# Altium PCB Xduino_Uno_Rev3.02.PcbDoc (part 3 of 3) (continued)
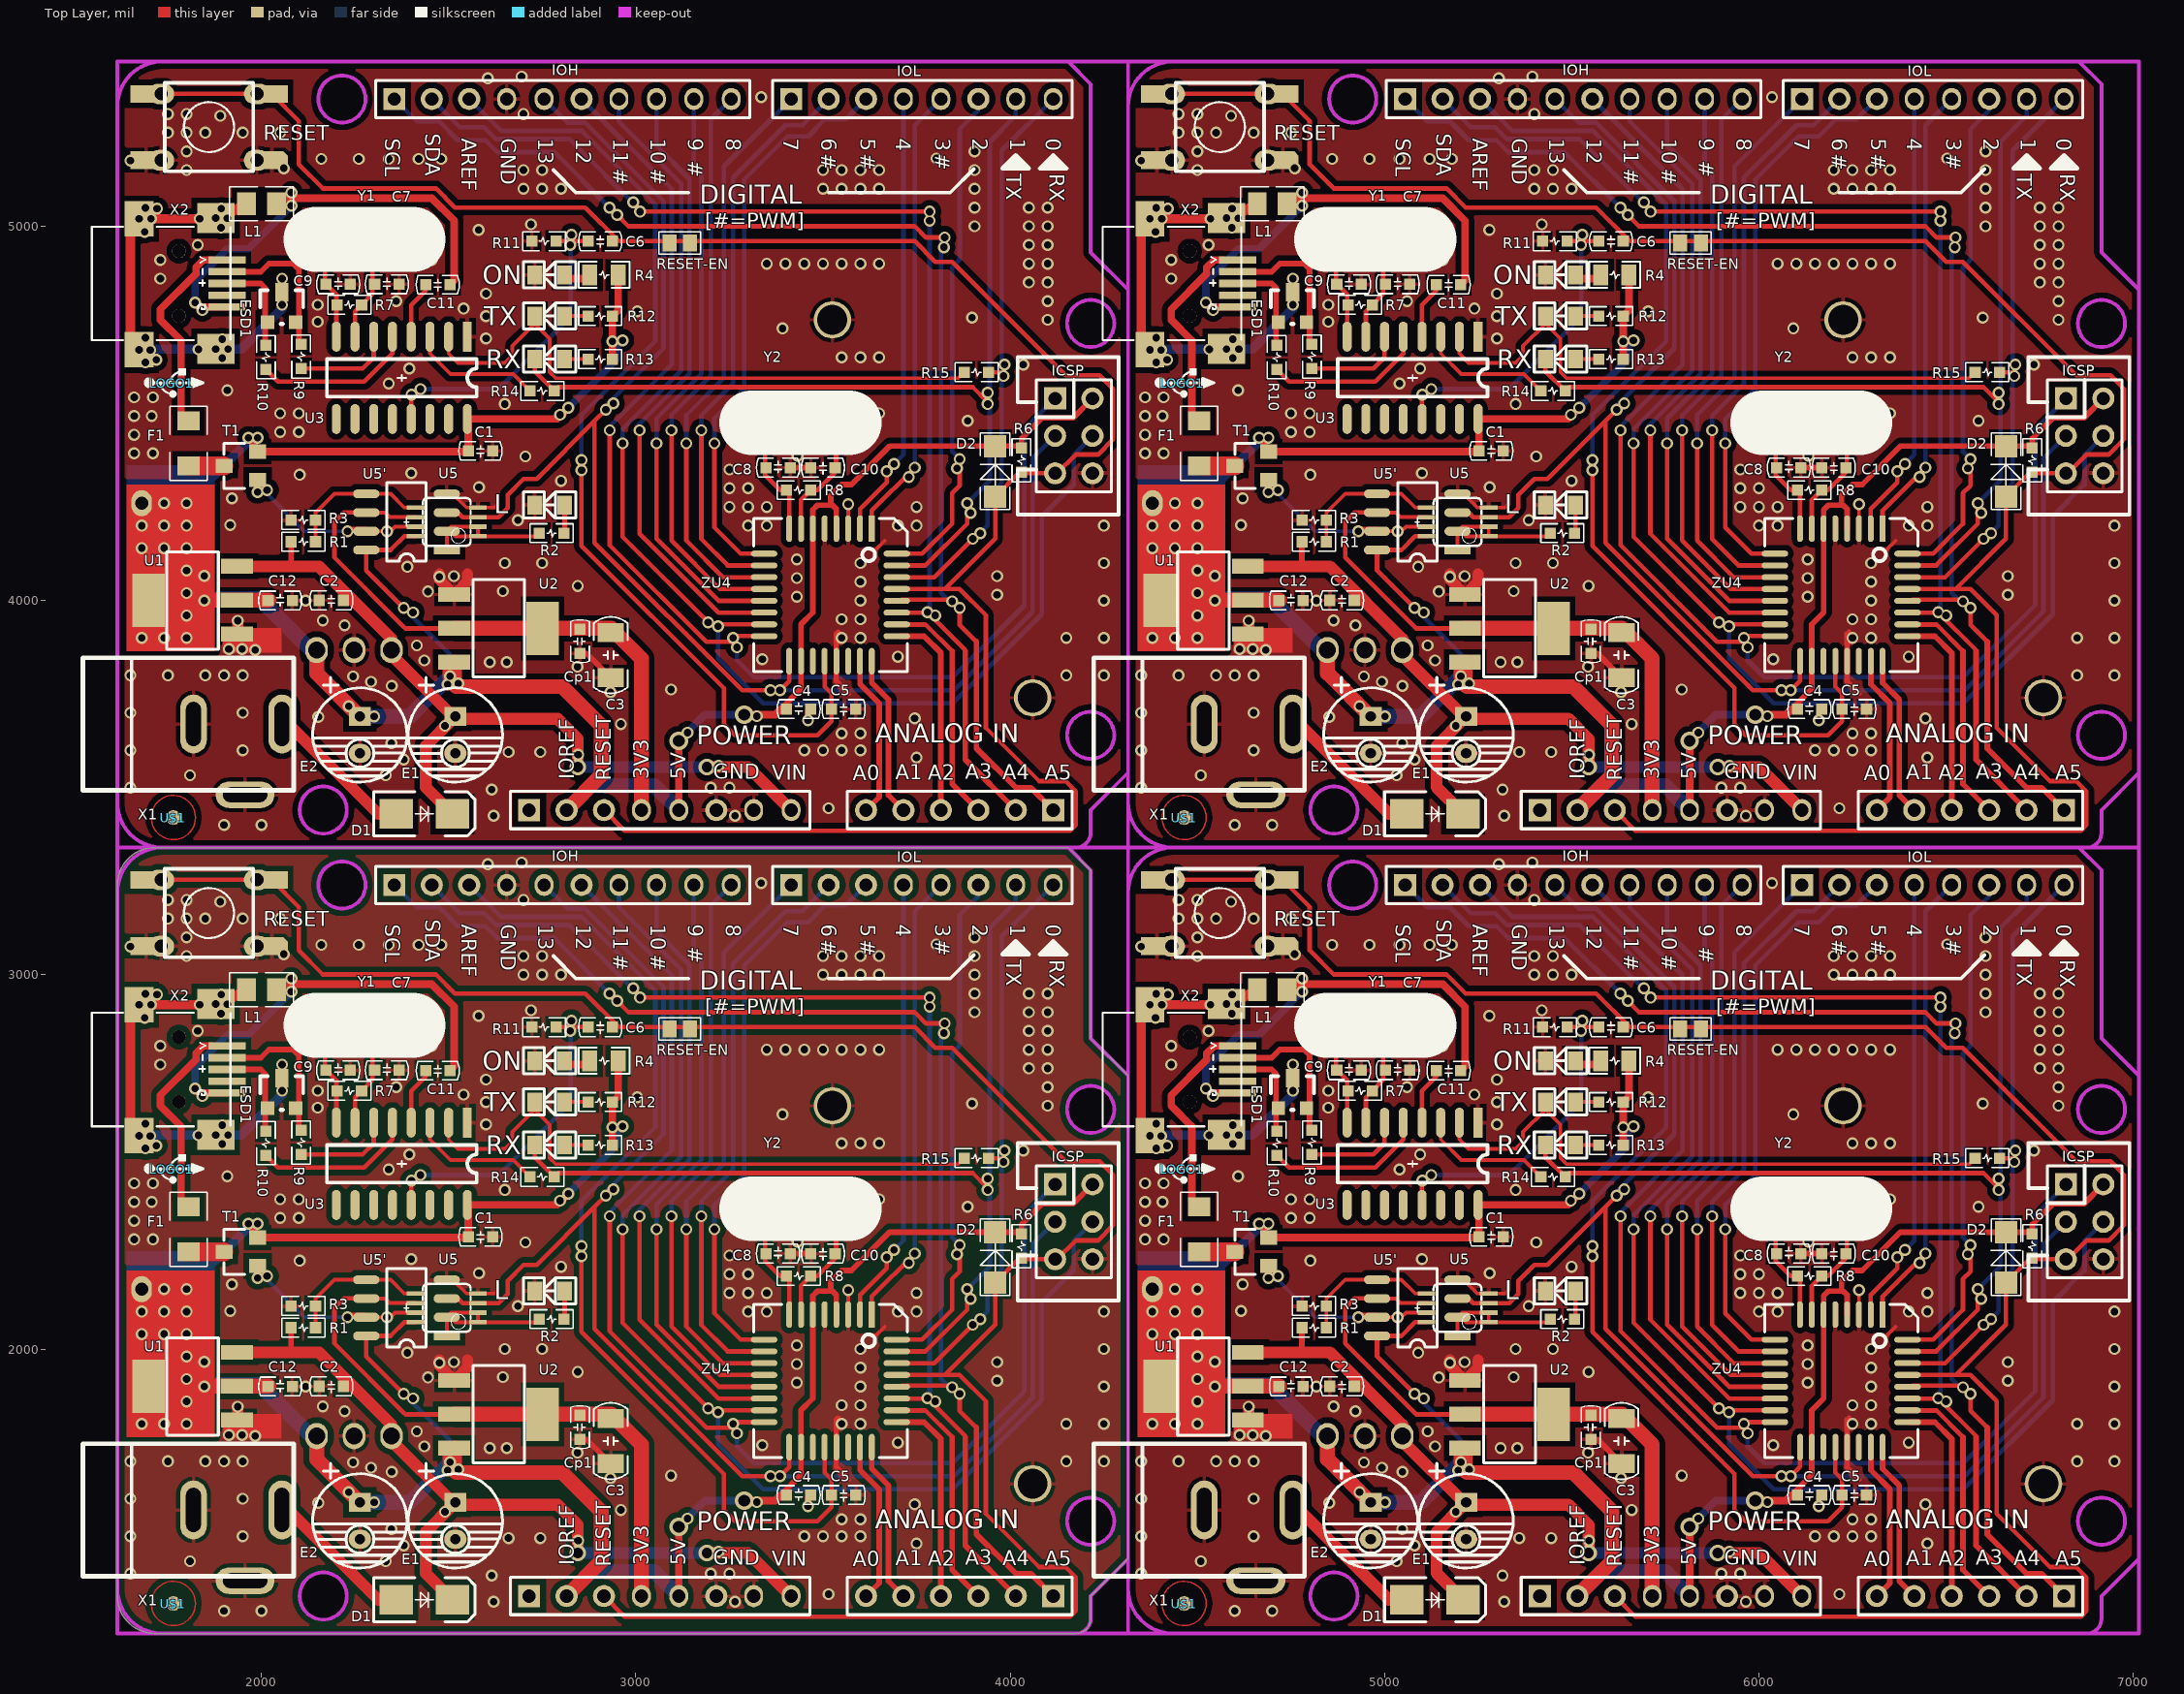
[diagram p0: Top Layer view]
## Nets (pads, with @x,y where several pads share a name; then routed paths per layer and width w, separated by ;. In a path a pad name is that pad's centre, name@x,y a point inside that pad or via, vN(x,y) a via of type N, cw(c..) or ccw(c..) an arc to the next point about the centre after c; other vN are vias at no path point) (continued)
  Bottom Layer w20: v1(1823,4796) 1823,4853 1910,4940 1965,4940 v1(2080,5055) ; 1833,4274 1833,4278 ; v1@2080,5065 v1(2080,5090) ; v1@2815,4510 v1(2820,4515) 2948,4643 2948,4678 v1(2965,4695) ; v3(3115,3625) 3185,3695 v3(3290,3695) ; v1(4523,2696) 4523,2753 4610,2840 4665,2840 v1(4780,2955) ; v1(4523,4796) 4523,4853 4610,4940 4665,4940 v1(4780,5055) ; 4533,2174 4533,2178 ; 4533,4274 4533,4278 ; v1@4780,2965 v1(4780,2990) ; v1@4780,5065 v1(4780,5090) ; v1@5515,2410 v1(5520,2415) 5648,2543 5648,2578 v1(5665,2595) ; v1@5515,4510 v1(5520,4515) 5648,4643 5648,4678 v1(5665,4695) ; v3(5815,1525) 5885,1595 v3(5990,1595) ; v3(5815,3625) 5885,3695 v3(5990,3695)
  Bottom Layer w25: v1(1673.28,4669.83) 1675.44,4672 v1@1690,4672 ; v1@1675.05,5022 v1(1673.28,5020.23) v1@1689,5020.23 ; v1@1688,4993 1688,4987 1689,4986 v1@1689,5020.23 ; v1(1690,4636) v1@1690,4672 ; v1(1690,4702) v1@1690,4672 ; v1(1690,5049) 1689,5048 v1@1689,5020.23 ; v1(1721,5047) 1694.23,5020.23 v1@1689,5020.23 ; v1(1835,5020.23) 1876.23,5020.23 v1(1878,5022) 1908,5022 v1(1909,5021) ; 1865,4325 v1@1975,4435 ; v1@2054.5,4862 2054.5,4829.5 ; 2055,4830 2054.5,4829.5 ; v1(4373.28,2569.83) 4375.44,2572 v1@4390,2572 ; v1(4373.28,4669.83) 4375.44,4672 v1@4390,4672 ; v1@4375.05,2922 v1(4373.28,2920.23) v1@4389,2920.23 ; v1@4375.05,5022 v1(4373.28,5020.23) v1@4389,5020.23 ; v1@4388,2893 4388,2887 4389,2886 v1@4389,2920.23 ; v1@4388,4993 4388,4987 4389,4986 v1@4389,5020.23 ; v1(4390,2536) v1@4390,2572 ; v1(4390,2602) v1@4390,2572 ; v1(4390,2949) 4389,2948 v1@4389,2920.23 ; v1(4390,4636) v1@4390,4672 ; v1(4390,4702) v1@4390,4672 ; v1(4390,5049) 4389,5048 v1@4389,5020.23 ; v1(4421,2947) 4394.23,2920.23 v1@4389,2920.23 ; v1(4421,5047) 4394.23,5020.23 v1@4389,5020.23 ; v1(4535,2920.23) 4576.23,2920.23 v1(4578,2922) 4608,2922 v1(4609,2921) ; v1(4535,5020.23) 4576.23,5020.23 v1(4578,5022) 4608,5022 v1(4609,5021) ; 4565,2225 v1@4675,2335 ; 4565,4325 v1@4675,4435 ; v1@4754.5,2762 4754.5,2729.5 ; v1@4754.5,4862 4754.5,4829.5 ; 4755,2730 4754.5,2729.5 ; 4755,4830 4754.5,4829.5 ; v1@1690,4672 v1(1878,4672) v1(1911,4672) 1947,4672 2055,4780 v1(2055,4790) 2054.5,4790.5 2054.5,4829.5 ; v1@4390,2572 v1(4578,2572) v1(4611,2572) 4647,2572 4755,2680 v1(4755,2690) 4754.5,2690.5 4754.5,2729.5 ; v1@4390,4672 v1(4578,4672) v1(4611,4672) 4647,4672 4755,4780 v1(4755,4790) 4754.5,4790.5 4754.5,4829.5
  Bottom Layer w32: v2(2845,3555) v2(3190,3555) ; v2(5545,1455) v2(5890,1455) ; v2(5545,3555) v2(5890,3555)
  Bottom Layer w40: 1865,4005 1995,4005 2147.5,3852.5 ; 2263,3690.21 2396.21,3690.21 v1(2504,3798) v1@2504,3784.21 ; 2815,3440 2880,3505 3050,3505 3115,3440 ; 4565,1905 4695,1905 4847.5,1752.5 ; 4565,4005 4695,4005 4847.5,3852.5 ; 4963,1590.21 5096.21,1590.21 v1(5204,1698) v1@5204,1684.21 ; 4963,3690.21 5096.21,3690.21 v1(5204,3798) v1@5204,3784.21 ; 5515,1340 5580,1405 5750,1405 5815,1340 ; 5515,3440 5580,3505 5750,3505 5815,3440
  other v1: 4600,1300 4700,1300 5320,1325 5965,1325 6215,1345 5315,1395 4350,1400 5900,1400 5950,1400 4509.16,1432.98 5032,1433 5921,1458 5080,1475 6450,1480 5546,1488 5360,1495 5445,1495 4350,1500 4650,1500 6150,1500 6200,1500 6250,1500 6300,1500 5047,1519 6250,1545 6300,1545 5838,1547 5190,1565 5660,1570 6445,1585 4852,1589 5001,1590 6023,1591 4350,1600 4650,1600 4933.21,1617.79 5632,1655 5794,1662 5048,1672 5197,1676 5226,1678 4993,1683 4945,1697 4350,1700 4450,1700 4550,1700 4600,1700 4650,1700 6850,1700 6950,1700 5544,1723 5310,1735 5355,1735 5135,1740 6038,1743 6400,1750 4683,1768 4613,1770 4648,1770 5115,1780 4380,1800 4440,1800 4500,1800 5960,1800 6250,1800 6300,1800 6850,1800 6950,1800 4922,1834 5893,1841.27 4864,1847 6250,1850 6300,1850 4500,1860 6500,1860 5105,1868 6545,1898 4547,1900 4818,1900 6300,1900 6950,1900 6130,1910 6665,1915 4500,1920 5145,1924 5345,1925 5545,1939 6300,1950 6130,1960 5175,1963.5 5214,1965 6665,1965 4547,1966 4500,1980 5090,1990 5350,2000 5450,2000 6300,2000 6950,2000 6130,2010 4380,2040 4440,2040 4500,2040 6600,2065 4380,2100 4440,2100 4500,2100 6000,2100 6050,2100 6400,2100 6450,2100 6950,2100 4616.5,2102 5385,2115 6594,2134 5950,2150 6000,2150 6050,2150 6450,2150 4440,2160 4500,2160 4621,2173 4690,2190 5950,2200 6000,2200 5281,2203 5500,2220 6429,2230 4802,2236 5100,2240 5950,2250 6558,2253 5405,2285 6132,2287 4360,2293 4410,2293 4665,2335 4690,2335 4360,2343 4750,2350 4800,2350 6586.41,2380 4360,2393 4407,2393 5497.65,2396.41 4750,2400 4800,2400 6350,2400 5350,2425 5640,2427 4360,2443 4410,2443 4609,2462 5040,2480 5095,2520 6685,2530 6735,2530 4419,2543 4595,2548 6250,2550 6300,2550 6350,2550 4403,2569 4532,2571 4595,2598 5300,2600 6092,2627 4850,2645 6800,2650 6598,2656 5300,2660 5704,2673 4542,2676 5240,2680 4850,2690 5060,2700 6800,2700 5300,2720 6750,2750 6800,2750 4430,2760 4755,2760 6050,2800 6100,2800 6150,2800 6200,2800 6250,2800 6300,2800 6350,2800 6750,2800 6800,2800 4430,2810 5155,2810 6523,2844 4800,2845 4530,2850 5525,2850 6750,2850 6800,2850 4388,2885 5280,2890 4592,2896 6605,2900 6750,2900 6800,2900 4800,2905 5420,2905 4405,2920 4965,2930 4593,2947 6605,2950 6750,2950 6800,2950 5400,3000 5450,3000 5500,3000 6200,3000 6250,3000 6300,3000 6350,3000 6605,3000 4500,3050 5400,3050 5450,3050 6200,3050 6250,3050 6300,3050 6350,3050 6605,3050 4760,3055 4350,3075 4860,3080 4960,3080 5040,3080 5120,3080 5180,3080 6503,3081 4500,3100 6605,3100 4450,3150 4500,3150 4550,3150 4650,3150 4750,3150 4590,3195 4450,3200 4500,3200 5400,3200 6035,3245 5305,3295 5395,3300 1900,3400 2000,3400 4600,3400 4700,3400 2620,3425 3265,3425 5320,3425 5965,3425 3515,3445 6215,3445 2615,3495 5315,3495 1650,3500 3200,3500 3250,3500 4350,3500 5900,3500 5950,3500 1809.16,3532.98 2332,3533 4509.16,3532.98 5032,3533 3221,3558 5921,3558 2380,3575 5080,3575 3750,3580 6450,3580 2846,3588 5546,3588 2660,3595 2745,3595 5360,3595 5445,3595 1650,3600 1950,3600 3450,3600 3500,3600 3550,3600 3600,3600 4350,3600 4650,3600 6150,3600 6200,3600 6250,3600 6300,3600 2347,3619 5047,3619 3550,3645 3600,3645 6250,3645 6300,3645 3138,3647 5838,3647 2490,3665 5190,3665 2960,3670 5660,3670 3745,3685 6445,3685 2152,3689 4852,3689 2301,3690 5001,3690 3323,3691 6023,3691 1650,3700 1950,3700 4350,3700 4650,3700 2233.21,3717.79 4933.21,3717.79 2932,3755 5632,3755 3094,3762 5794,3762 2348,3772 5048,3772 2497,3776 5197,3776 2526,3778 5226,3778 2293,3783 4993,3783 2245,3797 4945,3797 1650,3800 1750,3800 1850,3800 1900,3800 1950,3800 4150,3800 4250,3800 4350,3800 4450,3800 4550,3800 4600,3800 4650,3800 6850,3800 6950,3800 2844,3823 5544,3823 2610,3835 2655,3835 5310,3835 5355,3835 2435,3840 5135,3840 3338,3843 6038,3843 3700,3850 6400,3850 1983,3868 4683,3868 1913,3870 1948,3870 4613,3870 4648,3870 2415,3880 5115,3880 1680,3900 1740,3900 1800,3900 3260,3900 3550,3900 3600,3900 4150,3900 4250,3900 4380,3900 4440,3900 4500,3900 5960,3900 6250,3900 6300,3900 6850,3900 6950,3900 2222,3934 4922,3934 3193,3941.27 5893,3941.27 2164,3947 4864,3947 3550,3950 3600,3950 6250,3950 6300,3950 1800,3960 3800,3960 4500,3960 6500,3960 2405,3968 5105,3968 3845,3998 6545,3998 1847,4000 2118,4000 3600,4000 4250,4000 4547,4000 4818,4000 6300,4000 6950,4000 3430,4010 6130,4010 3965,4015 6665,4015 1800,4020 4500,4020 2445,4024 5145,4024 2645,4025 5345,4025 2845,4039 5545,4039 3600,4050 6300,4050 3430,4060 6130,4060 2475,4063.5 5175,4063.5 2514,4065 3965,4065 5214,4065 6665,4065 1847,4066 4547,4066 1800,4080 4500,4080 2390,4090 5090,4090 2650,4100 2750,4100 3600,4100 4250,4100 5350,4100 5450,4100 6300,4100 6950,4100 3430,4110 6130,4110 1680,4140 1740,4140 1800,4140 4380,4140 4440,4140 4500,4140 3900,4165 6600,4165 1680,4200 1740,4200 1800,4200 3300,4200 3350,4200 3700,4200 3750,4200 4250,4200 4380,4200 4440,4200 4500,4200 6000,4200 6050,4200 6400,4200 6450,4200 6950,4200 1916.5,4202 4616.5,4202 2685,4215 5385,4215 3894,4234 6594,4234 3250,4250 3300,4250 3350,4250 3750,4250 5950,4250 6000,4250 6050,4250 6450,4250 1740,4260 1800,4260 4440,4260 4500,4260 1921,4273 4621,4273 1990,4290 4690,4290 3250,4300 3300,4300 5950,4300 6000,4300 2581,4303 5281,4303 2800,4320 5500,4320 3729,4330 6429,4330 2102,4336 4802,4336 2400,4340 5100,4340 3250,4350 5950,4350 3858,4353 6558,4353 2705,4385 5405,4385 3432,4387 6132,4387 1660,4393 1710,4393 4360,4393 4410,4393 1965,4435 1990,4435 4665,4435 4690,4435 1660,4443 4360,4443 2050,4450 2100,4450 4750,4450 4800,4450 3886.41,4480 6586.41,4480 1660,4493 1707,4493 4360,4493 4407,4493 2797.65,4496.41 5497.65,4496.41 2050,4500 2100,4500 3650,4500 4750,4500 4800,4500 6350,4500 2650,4525 5350,4525 2940,4527 5640,4527 1660,4543 1710,4543 4360,4543 4410,4543 1909,4562 4609,4562 2340,4580 5040,4580 2395,4620 5095,4620 3985,4630 4035,4630 6685,4630 6735,4630 1719,4643 4419,4643 1895,4648 4595,4648 3550,4650 3600,4650 3650,4650 6250,4650 6300,4650 6350,4650 1703,4669 4403,4669 1832,4671 4532,4671 1895,4698 4595,4698 2600,4700 5300,4700 3392,4727 6092,4727 2150,4745 4850,4745 4100,4750 6800,4750 3898,4756 6598,4756 2600,4760 5300,4760 3004,4773 5704,4773 1842,4776 4542,4776 2540,4780 5240,4780 2150,4790 4850,4790 2360,4800 4100,4800 5060,4800 6800,4800 2600,4820 5300,4820 4050,4850 4100,4850 6750,4850 6800,4850 1730,4860 2055,4860 4430,4860 4755,4860 3350,4900 3400,4900 3450,4900 3500,4900 3550,4900 3600,4900 3650,4900 4050,4900 4100,4900 6050,4900 6100,4900 6150,4900 6200,4900 6250,4900 6300,4900 6350,4900 6750,4900 6800,4900 1730,4910 2455,4910 4430,4910 5155,4910 3823,4944 6523,4944 2100,4945 4800,4945 1830,4950 2825,4950 4050,4950 4100,4950 4530,4950 5525,4950 6750,4950 6800,4950 1688,4985 4388,4985 2580,4990 5280,4990 1892,4996 4592,4996 3905,5000 4050,5000 4100,5000 6605,5000 6750,5000 6800,5000 2100,5005 2720,5005 4800,5005 5420,5005 1705,5020 4405,5020 2265,5030 4965,5030 1893,5047 4593,5047 3905,5050 4050,5050 4100,5050 6605,5050 6750,5050 6800,5050 2700,5100 2750,5100 2800,5100 3500,5100 3550,5100 3600,5100 3650,5100 3905,5100 5400,5100 5450,5100 5500,5100 6200,5100 6250,5100 6300,5100 6350,5100 6605,5100 1800,5150 2700,5150 2750,5150 3500,5150 3550,5150 3600,5150 3650,5150 3905,5150 4500,5150 5400,5150 5450,5150 6200,5150 6250,5150 6300,5150 6350,5150 6605,5150 2060,5155 4760,5155 1650,5175 4350,5175 2160,5180 2260,5180 2340,5180 2420,5180 2480,5180 4860,5180 4960,5180 5040,5180 5120,5180 5180,5180 3803,5181 6503,5181 1800,5200 3905,5200 4500,5200 6605,5200 1750,5250 1800,5250 1850,5250 1950,5250 2050,5250 4450,5250 4500,5250 4550,5250 4650,5250 4750,5250 1890,5295 4590,5295 1750,5300 1800,5300 2700,5300 4450,5300 4500,5300 5400,5300 3335,5345 6035,5345 2605,5395 5305,5395 2695,5400 5395,5400

## Polygon pours and split planes (outlines as drawn)
no net on Bottom Layer "Gnd" (solid, remove dead copper, pour order 4): 4354.37,3340 cw(c4354.37,3379.37) 4315,3379.37 4315,5400.63 cw(c4354.37,5400.63) 4354.37,5440 6855,5440 cw(c6855,5380) 6915,5380 6915,4930 7015,4830 7015,3540 6915,3440 6915,3379.37 cw(c6875.63,3379.37) 6875.63,3340 4360,3340
no net on Bottom Layer "Gnd" (solid, remove dead copper, pour order 4): 1654.37,3340 cw(c1654.37,3379.37) 1615,3379.37 1615,5400.63 cw(c1654.37,5400.63) 1654.37,5440 4155,5440 cw(c4155,5380) 4215,5380 4215,4930 4315,4830 4315,3540 4215,3440 4215,3379.37 cw(c4175.63,3379.37) 4175.63,3340 1660,3340
no net on Bottom Layer "Gnd" (solid, remove dead copper, pour order 4): 4354.37,1240 cw(c4354.37,1279.37) 4315,1279.37 4315,3300.63 cw(c4354.37,3300.63) 4354.37,3340 6855,3340 cw(c6855,3280) 6915,3280 6915,2830 7015,2730 7015,1440 6915,1340 6915,1279.37 cw(c6875.63,1279.37) 6875.63,1240 4360,1240
GND on Bottom Layer "Gnd" (solid, remove dead copper, pour order 4): 1654.37,1240 cw(c1654.37,1279.37) 1615,1279.37 1615,3300.63 cw(c1654.37,3300.63) 1654.37,3340 4155,3340 cw(c4155,3280) 4215,3280 4215,2830 4315,2730 4315,1440 4215,1340 4215,1279.37 cw(c4175.63,1279.37) 4175.63,1240 1660,1240
no net on Top Layer "Gnd" (solid, remove dead copper, pour order 3): 4354.37,3340 cw(c4354.37,3379.37) 4315,3379.37 4315,5400.63 cw(c4354.37,5400.63) 4354.37,5440 6855,5440 cw(c6855,5380) 6915,5380 6915,4930 7015,4830 7015,3540 6915,3440 6915,3379.37 cw(c6875.63,3379.37) 6875.63,3340 4360,3340
no net on Top Layer "Gnd" (solid, remove dead copper, pour order 3): 1654.37,3340 cw(c1654.37,3379.37) 1615,3379.37 1615,5400.63 cw(c1654.37,5400.63) 1654.37,5440 4155,5440 cw(c4155,5380) 4215,5380 4215,4930 4315,4830 4315,3540 4215,3440 4215,3379.37 cw(c4175.63,3379.37) 4175.63,3340 1660,3340
no net on Top Layer "Gnd" (solid, remove dead copper, pour order 3): 4354.37,1240 cw(c4354.37,1279.37) 4315,1279.37 4315,3300.63 cw(c4354.37,3300.63) 4354.37,3340 6855,3340 cw(c6855,3280) 6915,3280 6915,2830 7015,2730 7015,1440 6915,1340 6915,1279.37 cw(c6875.63,1279.37) 6875.63,1240 4360,1240
GND on Top Layer "Gnd" (solid, remove dead copper, pour order 3): 1654.37,1240 cw(c1654.37,1279.37) 1615,1279.37 1615,3300.63 cw(c1654.37,3300.63) 1654.37,3340 4155,3340 cw(c4155,3280) 4215,3280 4215,2830 4315,2730 4315,1440 4215,1340 4215,1279.37 cw(c4175.63,1279.37) 4175.63,1240 1660,1240

## Keep-outs
Keep-Out Layer:
  circle w10: c6915,4740 r62.99
  circle w10: c4865,3440 r62.99
  circle w10: c4915,5340 r62.99
  circle w10: c6915,3640 r62.99
  circle w10: c4215,4740 r62.99
  circle w10: c2165,3440 r62.99
  circle w10: c2215,5340 r62.99
  circle w10: c4215,3640 r62.99
  circle w10: c6915,2640 r62.99
  circle w10: c4865,1340 r62.99
  circle w10: c4915,3240 r62.99
  circle w10: c6915,1540 r62.99
  circle w10: c4215,1540 r62.99
  circle w10: c2215,3240 r62.99
  circle w10: c2165,1340 r62.99
  circle w10: c4215,2640 r62.99
  lines w10: 1615,1279.37 1615,3300.63 1615,3340 ; 1615,1296 1615,1240 1665,1240 ; 1615,1360 ccw(c1735,1360) 1735,1240 ; 1615,3220 cw(c1735,3220) 1735,3340 cw(c1735,3460) 1615,3460 ; 1615,3379.37 1615,5400.63 1615,5440 1674,5440 ; 1615,3396 1615,3340 ; 1615,5320 cw(c1735,5320) 1735,5440 ; 1654.37,1240 4175.63,1240 ; 1654.37,5440 4155,5440 ; 1665,3340 1615,3340 ; 1674,3340 1615,3340 ; 4315,1279.37 4315,3300.63 4315,3340 ; 4315,1296 4315,1240 ; 4315,1360 ccw(c4435,1360) 4435,1240 ; 4315,3220 cw(c4435,3220) 4435,3340 cw(c4435,3460) 4315,3460 ; 4315,3379.37 4315,5400.63 4315,5440 ; 4315,3396 4315,3340 ; 4315,5320 cw(c4435,5320) 4435,5440 ; 4354.37,1240 6875.63,1240 ; 4354.37,5440 6855,5440 ; 4365,1240 4315,1240 ; 4365,3340 4315,3340 ; 4374,3340 4315,3340 ; 4374,5440 4315,5440 ; 4155,3340 1654.37,3340 4175.63,3340 ; 4155,3340 4215,3280 4215,2830 4315,2730 4315,1440 4215,1340 4215,1279.37 cw(c4175.63,1279.37) 4175.63,1240 ; 4155,3340 4315,3340 ; 4155,5440 4315,5440 ; 4155,5440 4215,5380 4215,4930 4315,4830 4315,3540 4215,3440 4215,3379.37 cw(c4175.63,3379.37) 4175.63,3340 ; 4175.63,1240 4315,1240 ; 4175.63,3340 4315,3340 ; 4315,1240 4315,3340 ; 4315,3340 4315,5440 ; 6855,3340 7015,3340 ; 6855,3340 6915,3280 6915,2830 7015,2730 7015,1440 6915,1340 6915,1279.37 cw(c6875.63,1279.37) 6875.63,1240 ; 6855,3340 4354.37,3340 6875.63,3340 ; 6855,5440 7015,5440 7015,3340 ; 6855,5440 6915,5380 6915,4930 7015,4830 7015,3540 6915,3440 6915,3379.37 cw(c6875.63,3379.37) 6875.63,3340 ; 6875.63,1240 7015,1240 7015,3340 ; 6875.63,3340 7015,3340

## Other copper
Top Layer:
  rectangle: 4596,3861 4754,3927
  rectangle: 4340,3865 4575,4310
  rectangle: 1896,3861 2054,3927
  rectangle: 1640,3865 1875,4310
  rectangle: 4596,1761 4754,1827
  rectangle: 4340,1765 4575,2210
  rectangle net +5V: 1640,1765 1875,2210
  rectangle net GND: 1896,1761 2054,1827
Bottom Layer:
  rectangle: 4340,3865 4575,4361
  rectangle: 1640,3865 1875,4361
  rectangle: 4340,1765 4575,2261
  rectangle net +5V: 1640,1765 1875,2261

## Silkscreen, mask and mechanical layers (free items; w line width, h text height)
Top Overlay:
  lines w10: 2780,3050 2840,2990 3140,2990 ; 2780,5150 2840,5090 3140,5090 ; 3515,2990 3840,2990 3902.5,3052.5 ; 3515,5090 3840,5090 3902.5,5152.5 ; 4050,2550 4290,2550 4290,2130 4020,2130 4020,2250 4070,2250 ; 4050,4650 4290,4650 4290,4230 4020,4230 4020,4350 4070,4350 ; 4060,2550 4020,2550 4020,2430 4070,2430 ; 4060,4650 4020,4650 4020,4530 4070,4530 ; 4070,2390 4170,2390 4170,2490 ; 4070,4490 4170,4490 4170,4590 ; 5480,3050 5540,2990 5840,2990 ; 5480,5150 5540,5090 5840,5090 ; 6215,2990 6540,2990 6602.5,3052.5 ; 6215,5090 6540,5090 6602.5,5152.5 ; 6750,2550 6990,2550 6990,2130 6720,2130 6720,2250 6770,2250 ; 6750,4650 6990,4650 6990,4230 6720,4230 6720,4350 6770,4350 ; 6760,2550 6720,2550 6720,2430 6770,2430 ; 6760,4650 6720,4650 6720,4530 6770,4530 ; 6770,2390 6870,2390 6870,2490 ; 6770,4490 6870,4490 6870,4590
  lines w12: 3995,3060 4015,3080 4035,3060 4005,3060 4020,3070 ; 3995,5160 4015,5180 4035,5160 4005,5160 4020,5170 ; 4095,3060 4115,3080 4135,3060 4105,3060 4120,3070 ; 4095,5160 4115,5180 4135,5160 4105,5160 4120,5170 ; 6695,3060 6715,3080 6735,3060 6705,3060 6720,3070 ; 6695,5160 6715,5180 6735,5160 6705,5160 6720,5170 ; 6795,3060 6815,3080 6835,3060 6805,3060 6820,3070 ; 6795,5160 6815,5180 6835,5160 6805,5160 6820,5170 ; 3980,3055 4050,3055 4015,3090 3980,3055 ; 3980,5155 4015,5190 4050,5155 3980,5155 ; 4080,3055 4150,3055 4115,3090 4080,3055 ; 4080,5155 4115,5190 4150,5155 4080,5155 ; 6680,3055 6715,3090 6750,3055 6680,3055 ; 6680,5155 6715,5190 6750,5155 6680,5155 ; 6780,3055 6815,3090 6850,3055 6780,3055 ; 6780,5155 6815,5190 6850,5155 6780,5155
  text "SDA" at 2438.21,5248.27 h40 r270
  text "SDA" at 5138.21,5248.27 h40 r270
  text "SCL" at 2330,5235 h40 r270
  text "AREF" at 2535,5235 h40 r270
  text "GND" at 2640,5235 h40 r270
  text "13" at 2740,5235 h40 r270
  text "12" at 2840,5235 h40 r270
  text "11" at 2940,5235 h40 r270
  text "10" at 3040,5235 h40 r270
  text "9" at 3140,5235 h40 r270
  text "8" at 3240,5235 h40 r270
  text "7" at 3395,5235 h40 r270
  text "6" at 3495,5235 h40 r270
  text "5" at 3600,5235 h40 r270
  text "4" at 3695,5235 h40 r270
  text "3" at 3800,5235 h40 r270
  text "2" at 3900,5235 h40 r270
  text "1" at 4000,5235 h40 r270
  text "0" at 4095,5235 h40 r270
  text "SCL" at 5030,5235 h40 r270
  text "AREF" at 5235,5235 h40 r270
  text "GND" at 5340,5235 h40 r270
  text "13" at 5440,5235 h40 r270
  text "12" at 5540,5235 h40 r270
  text "11" at 5640,5235 h40 r270
  text "10" at 5740,5235 h40 r270
  text "9" at 5840,5235 h40 r270
  text "8" at 5940,5235 h40 r270
  text "7" at 6095,5235 h40 r270
  text "6" at 6195,5235 h40 r270
  text "5" at 6300,5235 h40 r270
  text "4" at 6395,5235 h40 r270
  text "3" at 6500,5235 h40 r270
  text "2" at 6600,5235 h40 r270
  text "1" at 6700,5235 h40 r270
  text "0" at 6795,5235 h40 r270
  text "#" at 3495,5195 h40 r270
  text "#" at 3600,5195 h40 r270
  text "#" at 3800,5195 h40 r270
  text "#" at 6195,5195 h40 r270
  text "#" at 6300,5195 h40 r270
  text "#" at 6500,5195 h40 r270
  text "#" at 3140,5175 h40 r270
  text "#" at 5840,5175 h40 r270
  text "#" at 2940,5155 h40 r270
  text "#" at 3040,5155 h40 r270
  text "#" at 5640,5155 h40 r270
  text "#" at 5740,5155 h40 r270
  text "TX" at 3990,5140 h40 r270
  text "RX" at 4105,5140 h40 r270
  text "TX" at 6690,5140 h40 r270
  text "RX" at 6805,5140 h40 r270
  text "DIGITAL" at 3170,5060 h50
  text "DIGITAL" at 5870,5060 h50
  text "[#=PWM]" at 3185,4995 h40
  text "[#=PWM]" at 5885,4995 h40
  text "GND" at 3207,3523 h40
  text "A3" at 3880,3523 h40
  text "GND" at 5907,3523 h40
  text "A3" at 6580,3523 h40
  text "IOREF" at 2835,3522 h40 r90
  text "3V3" at 3034,3522 h40 r90
  text "5V" at 3133,3522 h40 r90
  text "A1" at 3693,3522 h40
  text "A4" at 3980,3522 h40
  text "IOREF" at 5535,3522 h40 r90
  text "3V3" at 5734,3522 h40 r90
  text "5V" at 5833,3522 h40 r90
  text "A1" at 6393,3522 h40
  text "A4" at 6680,3522 h40
  text "VIN" at 3364,3521 h40
  text "A2" at 3780,3521 h40
  text "A5" at 4092,3520.5 h40
  text "VIN" at 6064,3521 h40
  text "A2" at 6480,3521 h40
  text "A5" at 6792,3520.5 h40
  text "A0" at 3580,3520 h40
  text "A0" at 6280,3520 h40
  text "RESET" at 2934,3518 h40 r90
  text "RESET" at 5634,3518 h40 r90
  text "SDA" at 2438.21,3148.27 h40 r270
  text "SDA" at 5138.21,3148.27 h40 r270
  text "SCL" at 2330,3135 h40 r270
  text "AREF" at 2535,3135 h40 r270
  text "GND" at 2640,3135 h40 r270
  text "13" at 2740,3135 h40 r270
  text "12" at 2840,3135 h40 r270
  text "11" at 2940,3135 h40 r270
  text "10" at 3040,3135 h40 r270
  text "9" at 3140,3135 h40 r270
  text "8" at 3240,3135 h40 r270
  text "7" at 3395,3135 h40 r270
  text "6" at 3495,3135 h40 r270
  text "5" at 3600,3135 h40 r270
  text "4" at 3695,3135 h40 r270
  text "3" at 3800,3135 h40 r270
  text "2" at 3900,3135 h40 r270
  text "1" at 4000,3135 h40 r270
  text "0" at 4095,3135 h40 r270
  text "SCL" at 5030,3135 h40 r270
  text "AREF" at 5235,3135 h40 r270
  text "GND" at 5340,3135 h40 r270
  text "13" at 5440,3135 h40 r270
  text "12" at 5540,3135 h40 r270
  text "11" at 5640,3135 h40 r270
  text "10" at 5740,3135 h40 r270
  text "9" at 5840,3135 h40 r270
  text "8" at 5940,3135 h40 r270
  text "7" at 6095,3135 h40 r270
  text "6" at 6195,3135 h40 r270
  text "5" at 6300,3135 h40 r270
  text "4" at 6395,3135 h40 r270
  text "3" at 6500,3135 h40 r270
  text "2" at 6600,3135 h40 r270
  text "1" at 6700,3135 h40 r270
  text "0" at 6795,3135 h40 r270
  text "#" at 3495,3095 h40 r270
  text "#" at 3600,3095 h40 r270
  text "#" at 3800,3095 h40 r270
  text "#" at 6195,3095 h40 r270
  text "#" at 6300,3095 h40 r270
  text "#" at 6500,3095 h40 r270
  text "#" at 3140,3075 h40 r270
  text "#" at 5840,3075 h40 r270
  text "#" at 2940,3055 h40 r270
  text "#" at 3040,3055 h40 r270
  text "#" at 5640,3055 h40 r270
  text "#" at 5740,3055 h40 r270
  text "TX" at 3990,3040 h40 r270
  text "RX" at 4105,3040 h40 r270
  text "TX" at 6690,3040 h40 r270
  text "RX" at 6805,3040 h40 r270
  text "DIGITAL" at 3170,2960 h50
  text "DIGITAL" at 5870,2960 h50
  text "[#=PWM]" at 3185,2895 h40
  text "[#=PWM]" at 5885,2895 h40
  text "GND" at 3207,1423 h40
  text "A3" at 3880,1423 h40
  text "GND" at 5907,1423 h40
  text "A3" at 6580,1423 h40
  text "IOREF" at 2835,1422 h40 r90
  text "3V3" at 3034,1422 h40 r90
  text "5V" at 3133,1422 h40 r90
  text "A1" at 3693,1422 h40
  text "A4" at 3980,1422 h40
  text "IOREF" at 5535,1422 h40 r90
  text "3V3" at 5734,1422 h40 r90
  text "5V" at 5833,1422 h40 r90
  text "A1" at 6393,1422 h40
  text "A4" at 6680,1422 h40
  text "VIN" at 3364,1421 h40
  text "A2" at 3780,1421 h40
  text "A5" at 4092,1420.5 h40
  text "VIN" at 6064,1421 h40
  text "A2" at 6480,1421 h40
  text "A5" at 6792,1420.5 h40
  text "A0" at 3580,1420 h40
  text "A0" at 6280,1420 h40
  text "RESET" at 2934,1418 h40 r90
  text "RESET" at 5634,1418 h40 r90
Bottom Overlay:
  text "Xduino" at 3918.59,4978.09 h80
  text "Xduino" at 6618.59,4978.09 h80
  text "UNO_Rev3.01" at 3902.37,4898.09 h40
  text "UNO_Rev3.01" at 6602.37,4898.09 h40
  text "www.arduino.cc" at 3958,4820 h40
  text "www.arduino.cc" at 6658,4820 h40
  text "Xduino" at 3918.59,2878.09 h80
  text "Xduino" at 6618.59,2878.09 h80
  text "UNO_Rev3.01" at 3902.37,2798.09 h40
  text "UNO_Rev3.01" at 6602.37,2798.09 h40
  text "www.arduino.cc" at 3958,2720 h40
  text "www.arduino.cc" at 6658,2720 h40